# Altium PCB IO_Board.PcbDoc (part 1 of 2)
Units mil, origin at the board's own origin, x right, y up, seen from the top; angles counter-clockwise.
Board outline 5915.54 x 5915.54 mil, 4 copper layers (Top Layer 1, 10V, GND, Bottom Layer 1), stack 23.756 mil thick; 192 components, 129 nets, 596 pads, 135 vias.
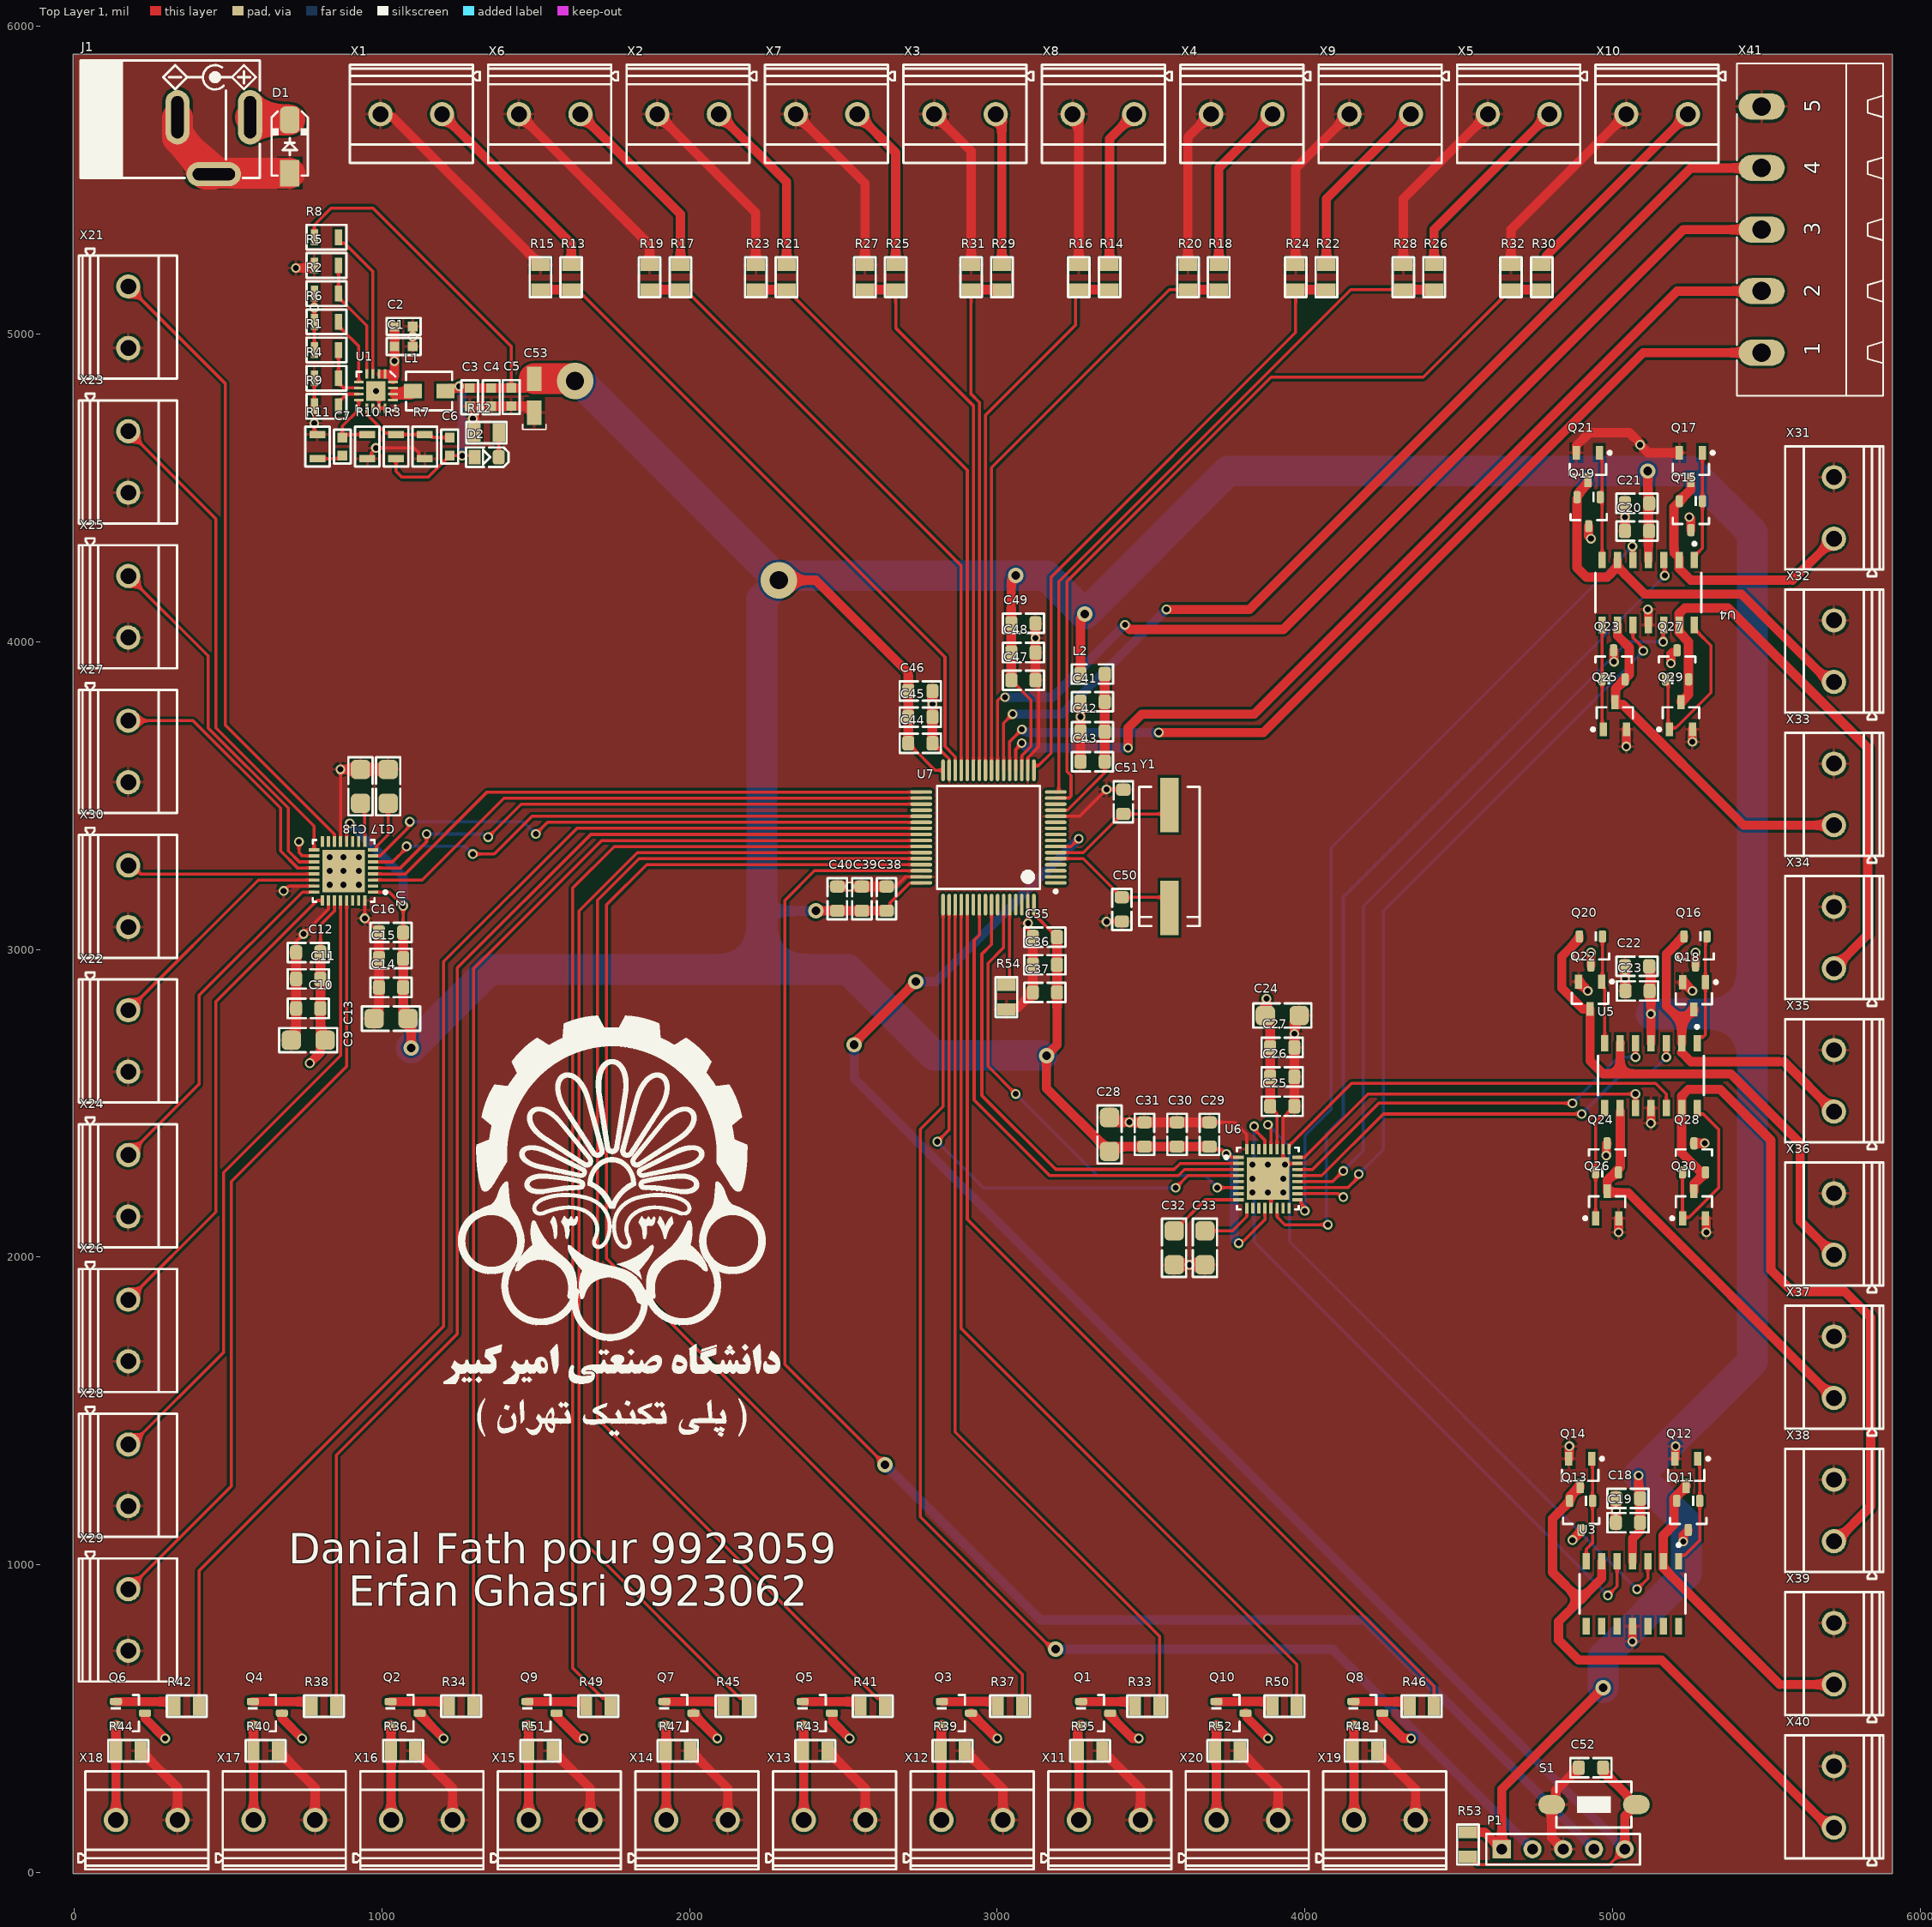
[diagram p0: Top Layer 1 view]
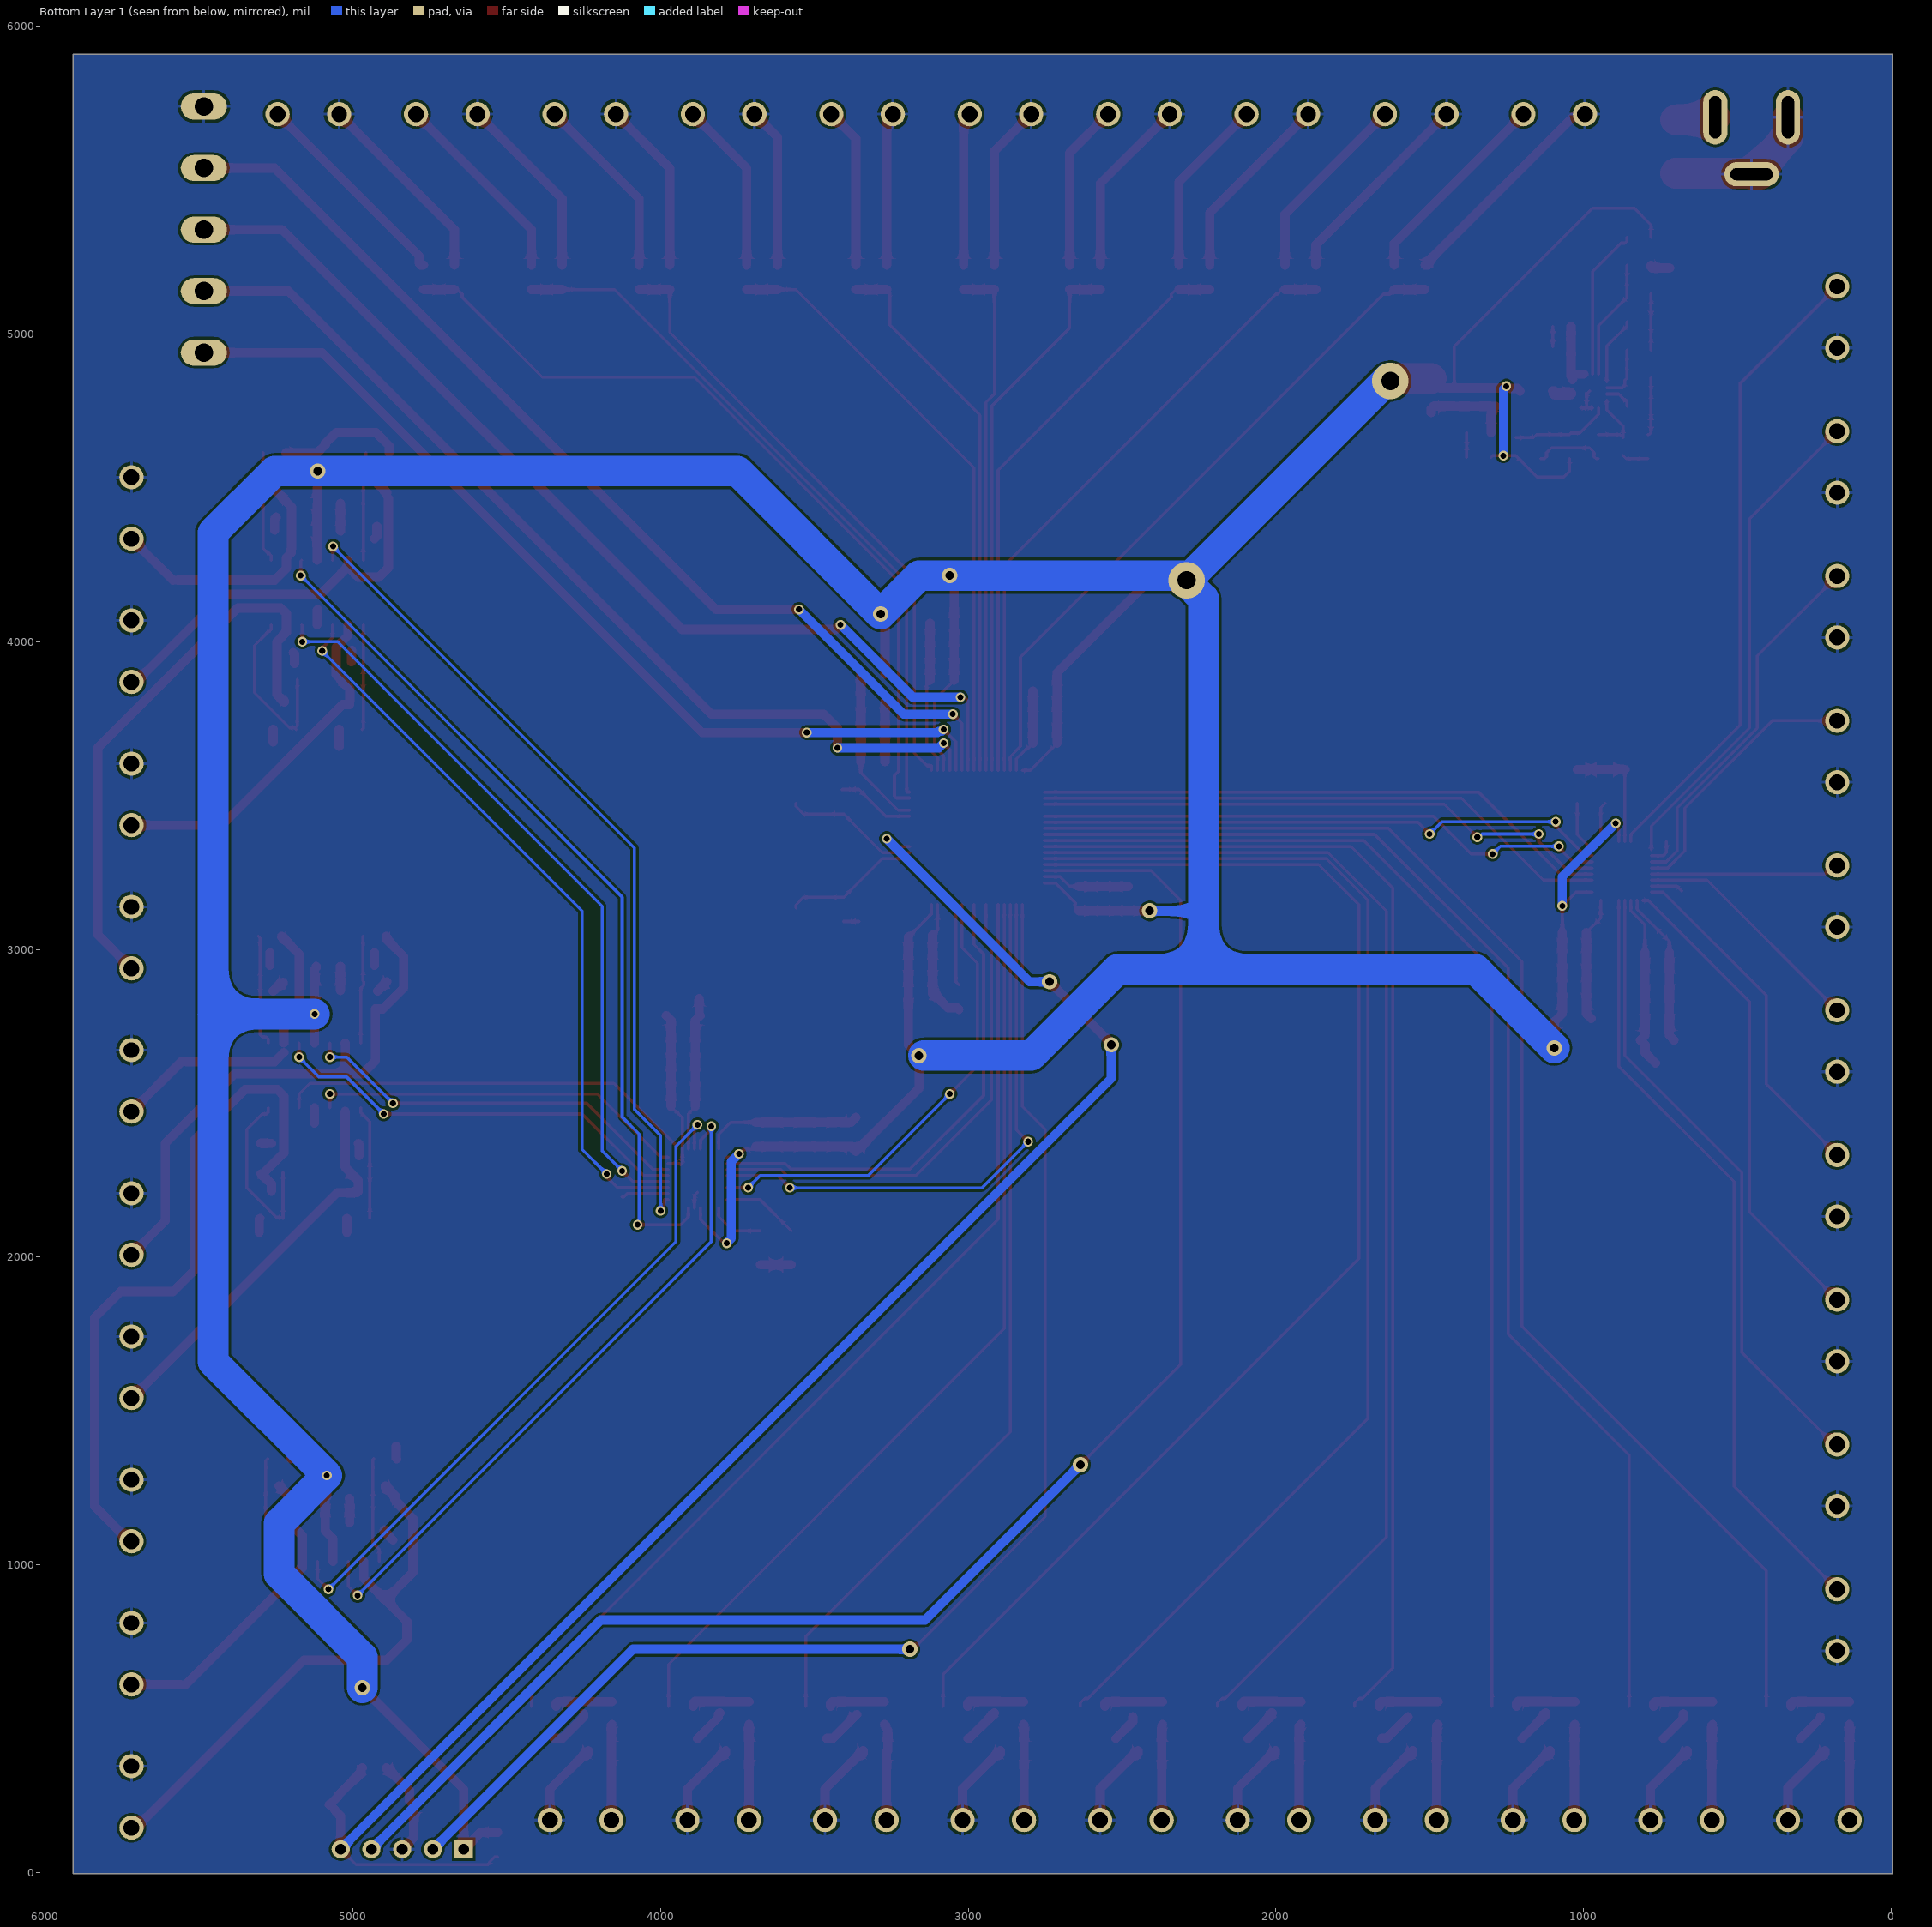
[diagram p1: Bottom Layer 1 view, seen from below]
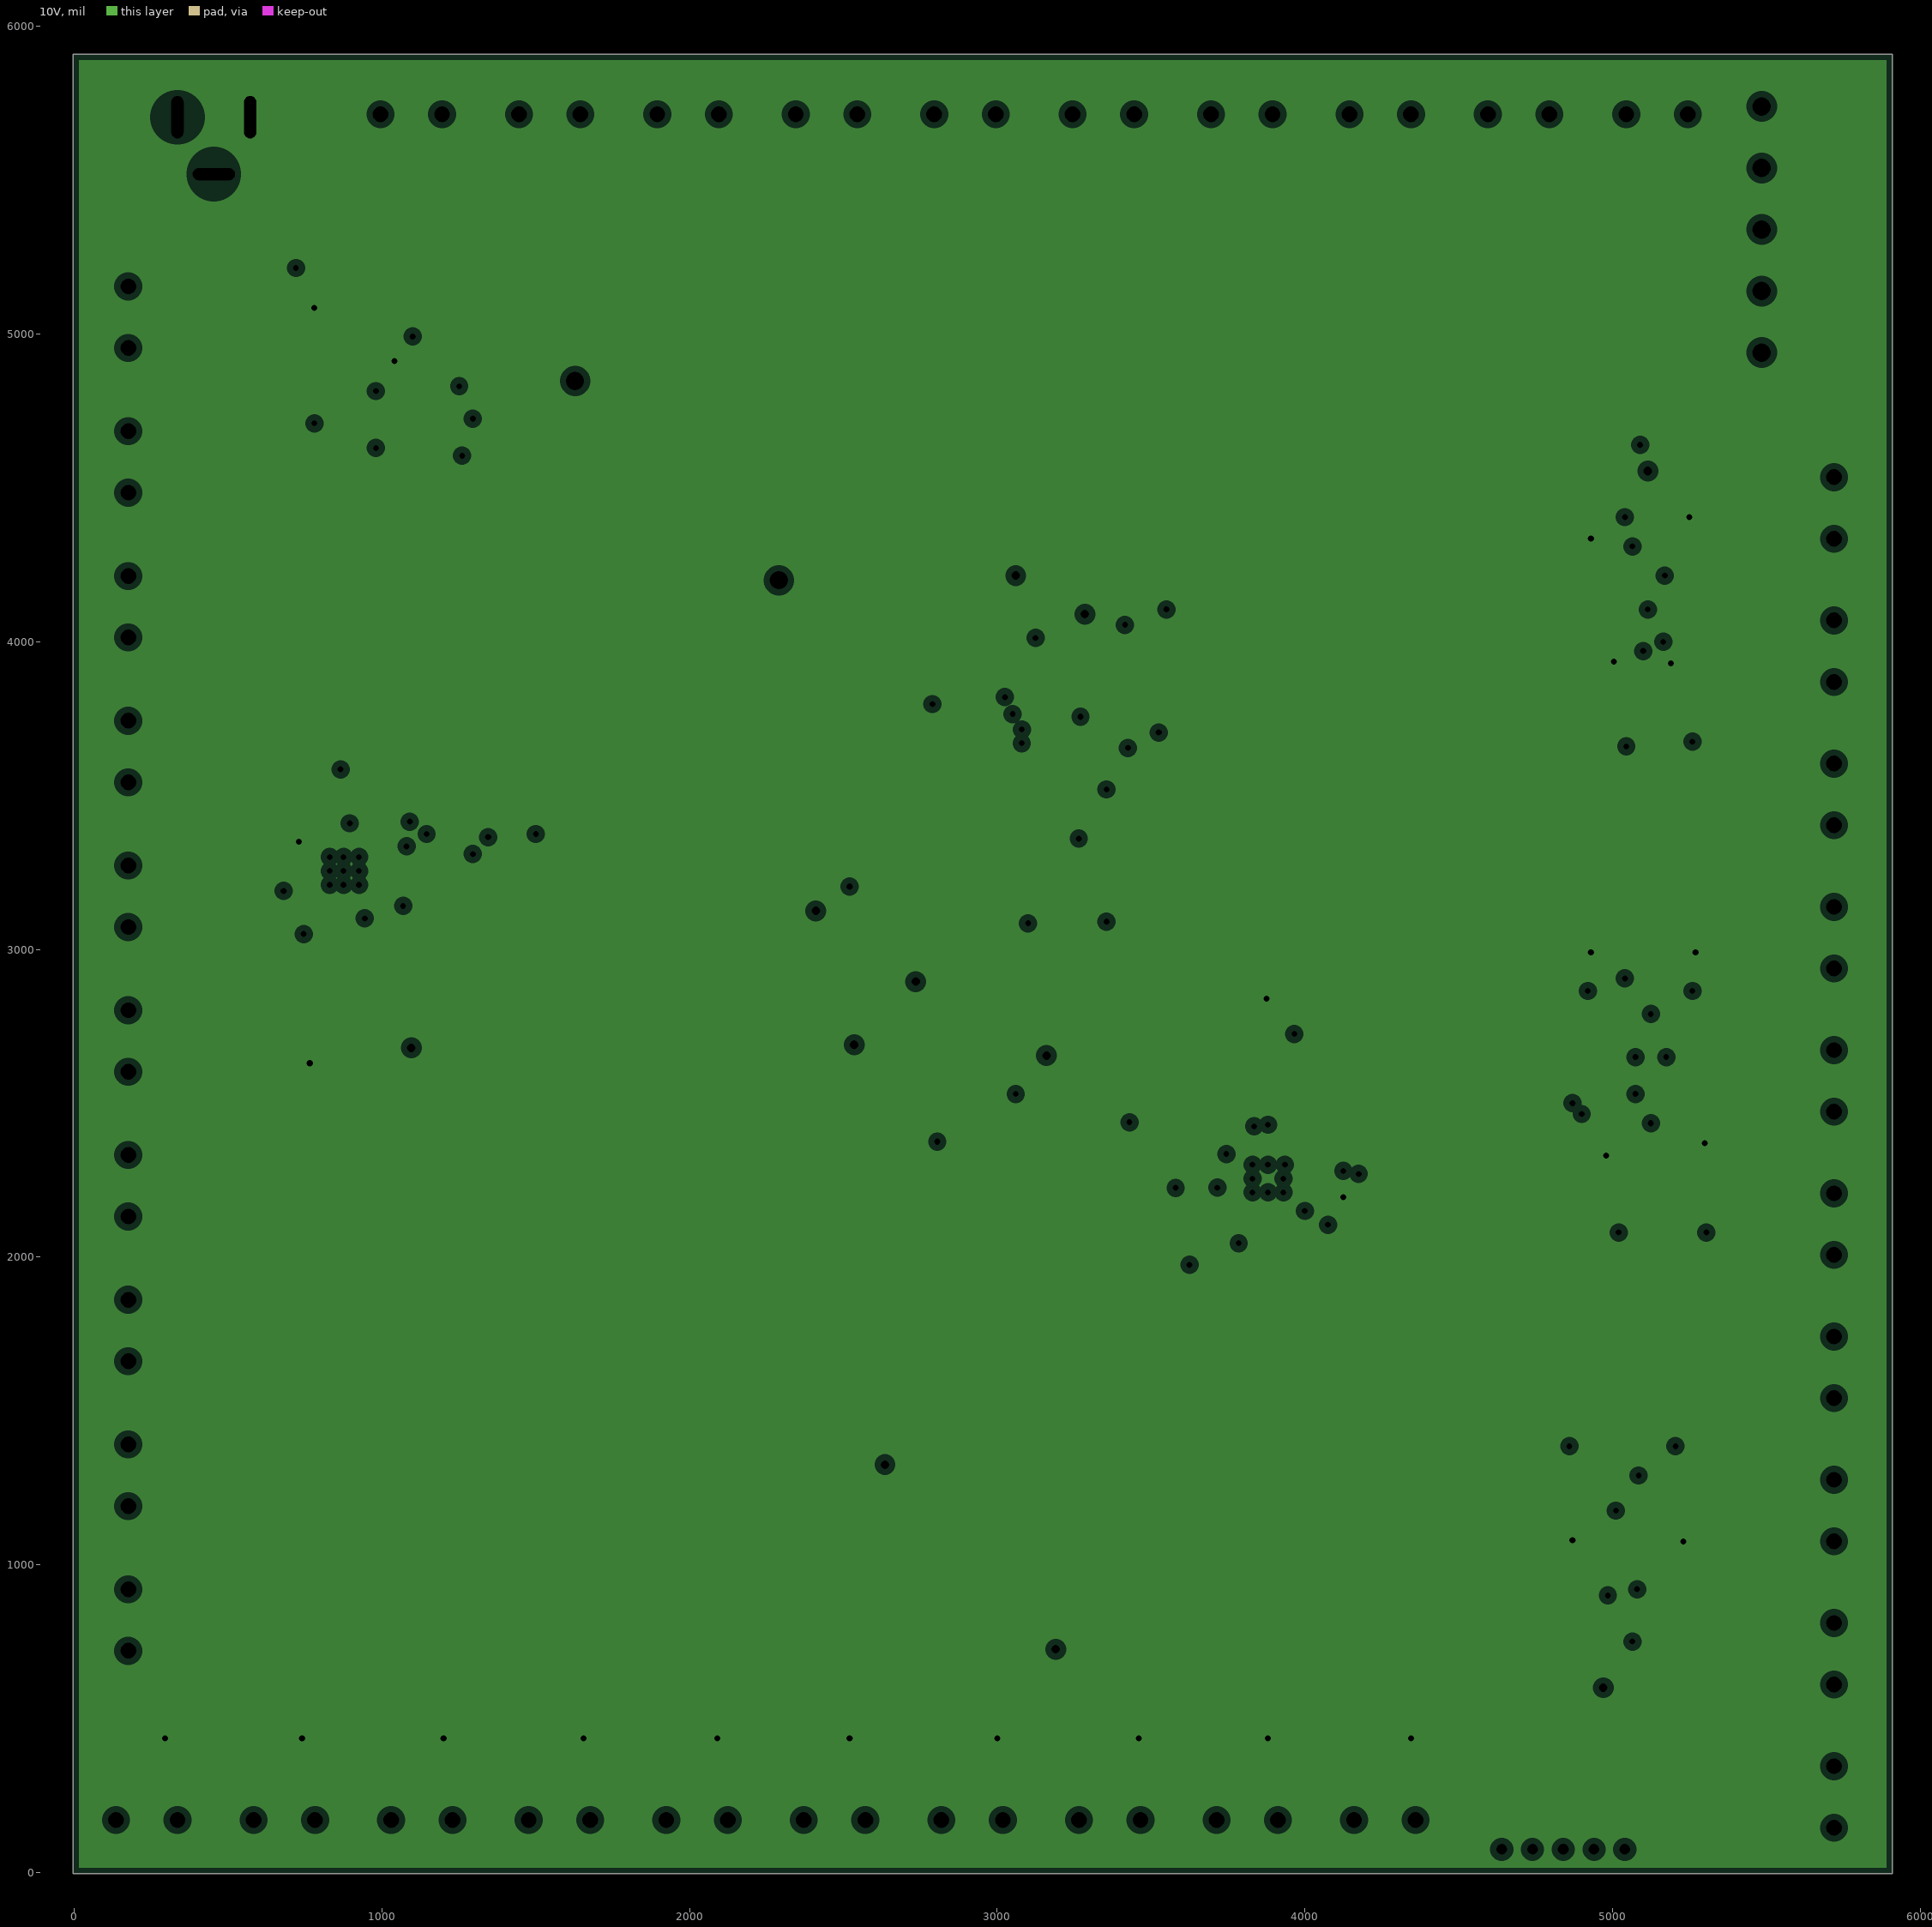
[diagram p2: 10V, clearances drawn from the general rule]
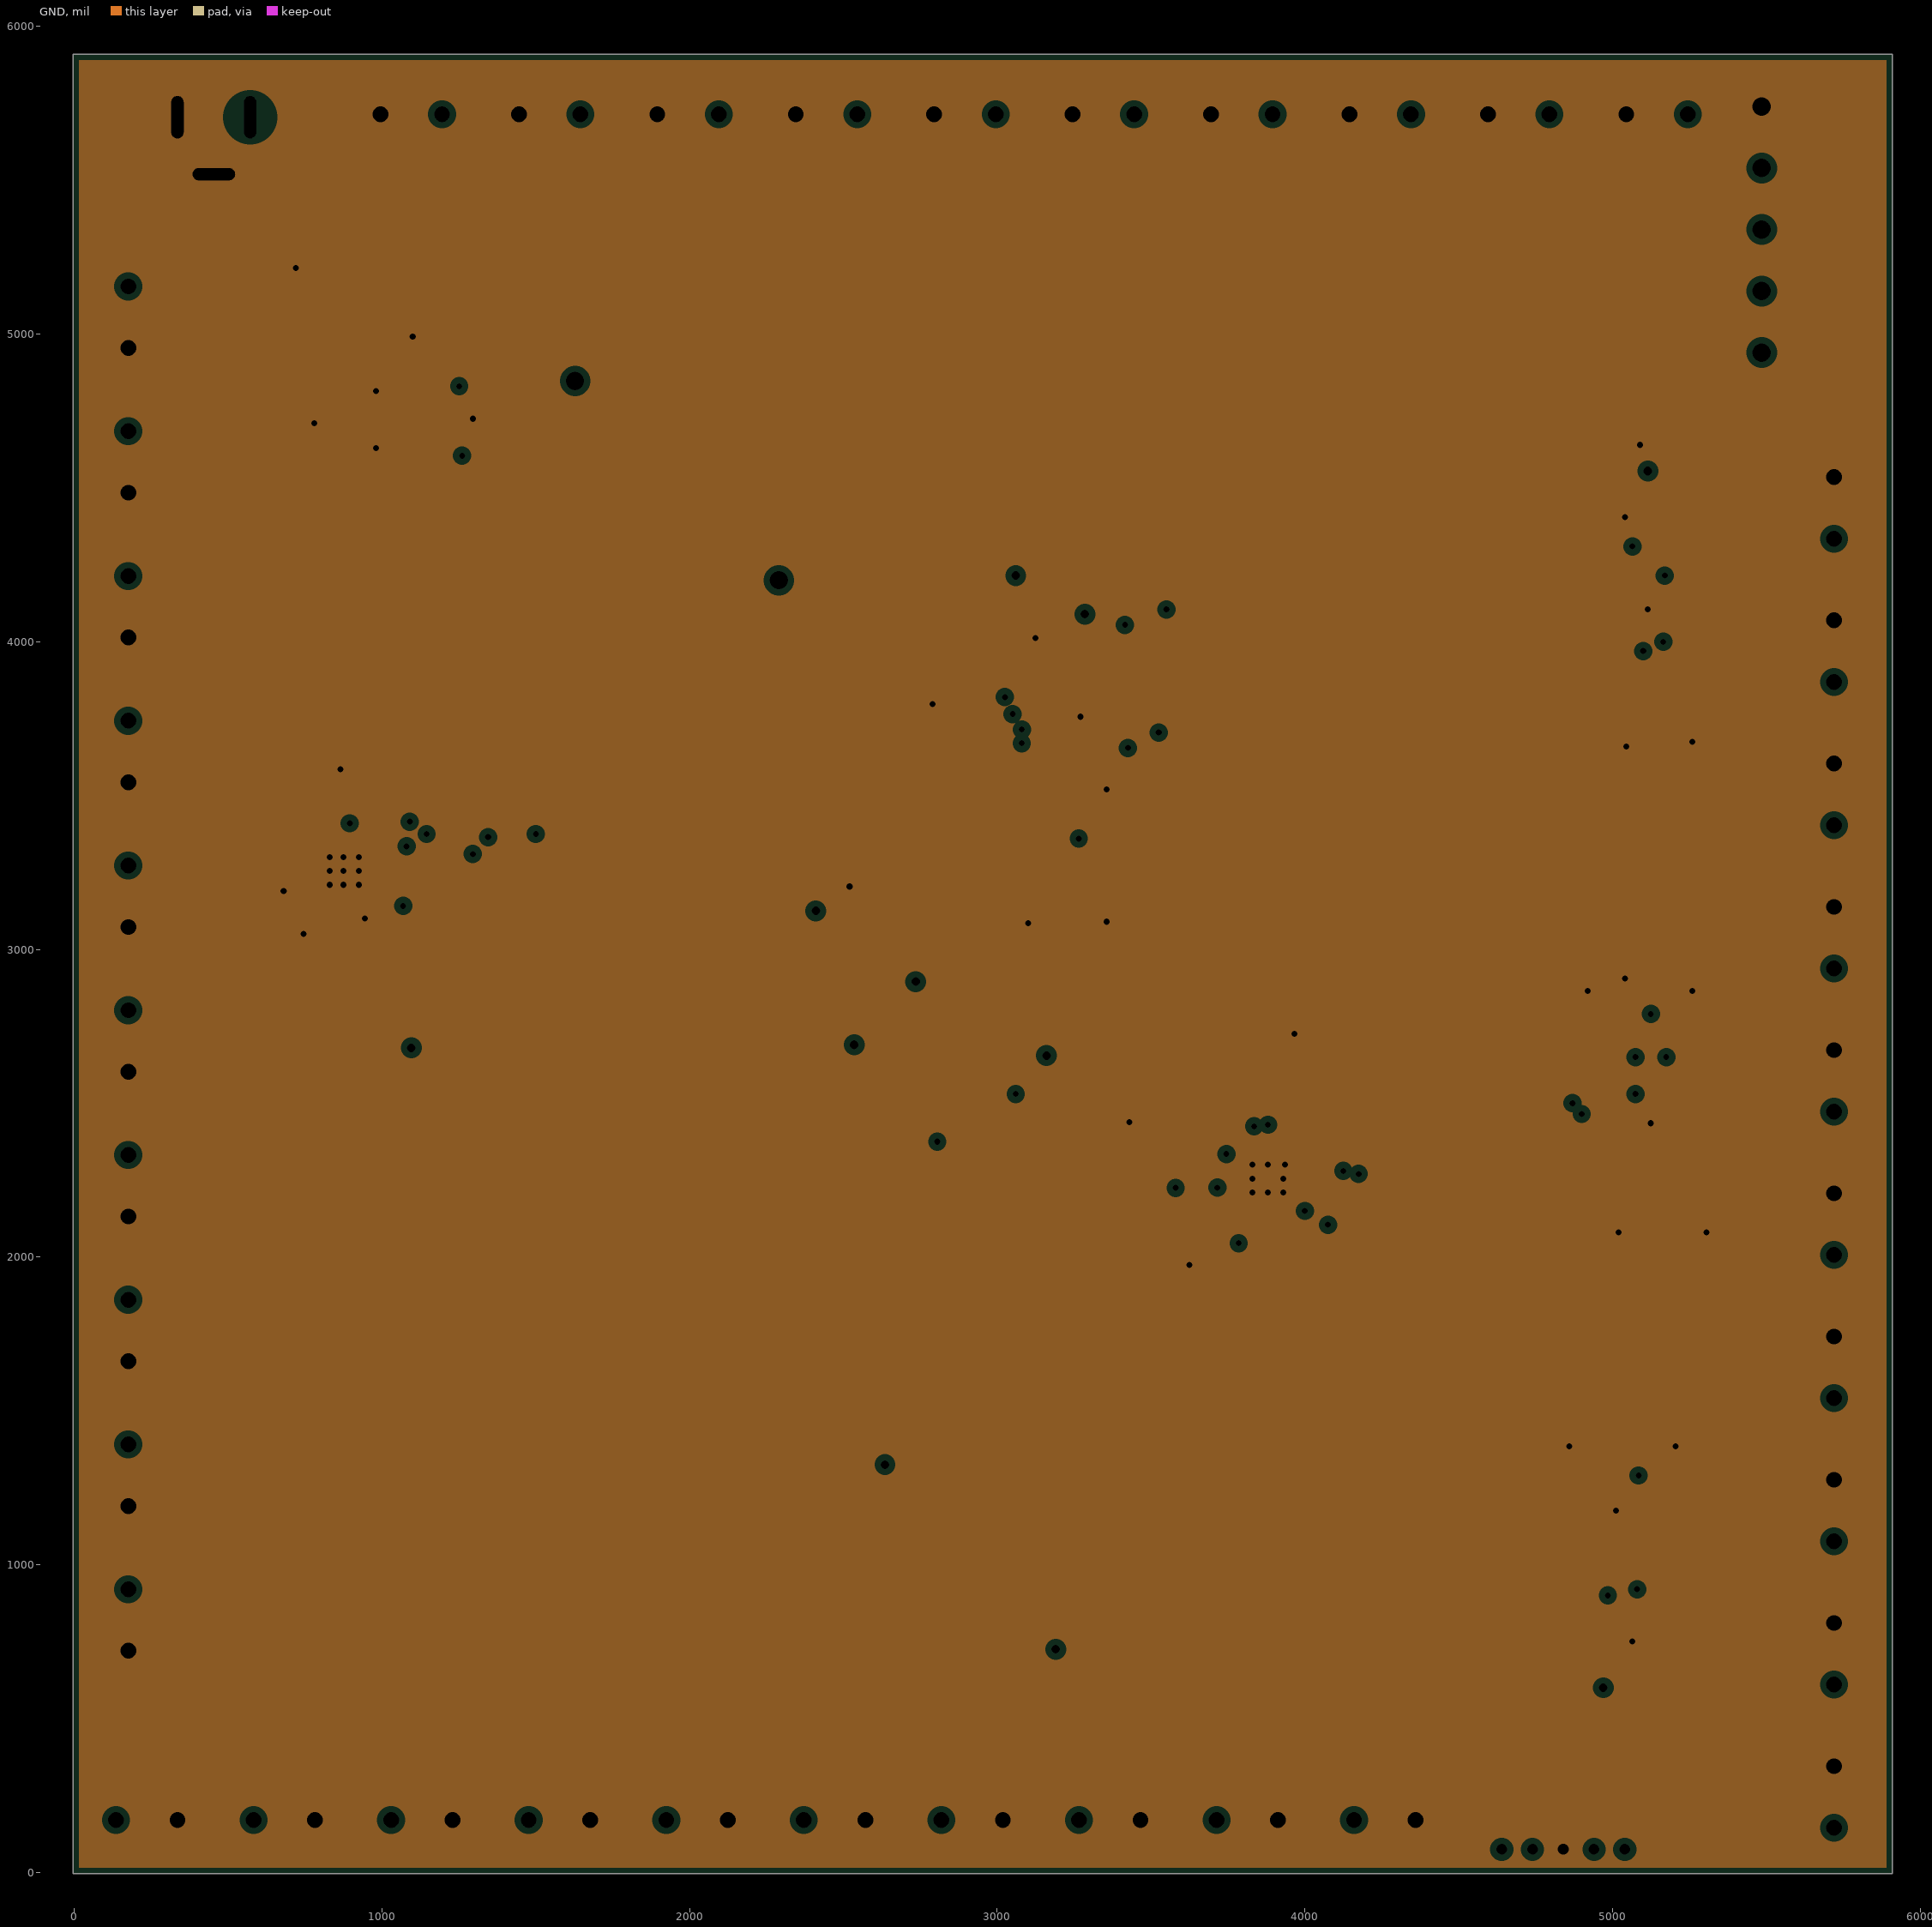
[diagram p3: GND, clearances drawn from the general rule]

## Layer stack, top to bottom
Top Solder: solder mask 0.4, Solder Resist, Dk 3.5
Top Layer 1: signal copper 1.378
Dielectric 2: prepreg 2.8, PP-006, Dk 4.1
10V: plane copper 1.4, net 10V
Dielectric 1: dielectric 12.6, FR-4, Dk 4.8
GND: plane copper 1.4, net GND
Dielectric 3: prepreg 2.8, PP-006, Dk 4.1
Bottom Layer 1: signal copper 1.378
Bottom Solder: solder mask 0.4, Solder Resist, Dk 3.5

## Board outline
0,-5.01 cw(c0,0) -5.01,0 -5.01,5905.51 cw(c0,5905.51) 0,5910.53 5905.51,5910.53 cw(c5905.51,5905.51) 5910.53,5905.51 5910.53,0 cw(c5905.51,0) 5905.51,-5.01
